# KiCad board Smoothie2Standard.kicad_pcb (continued)
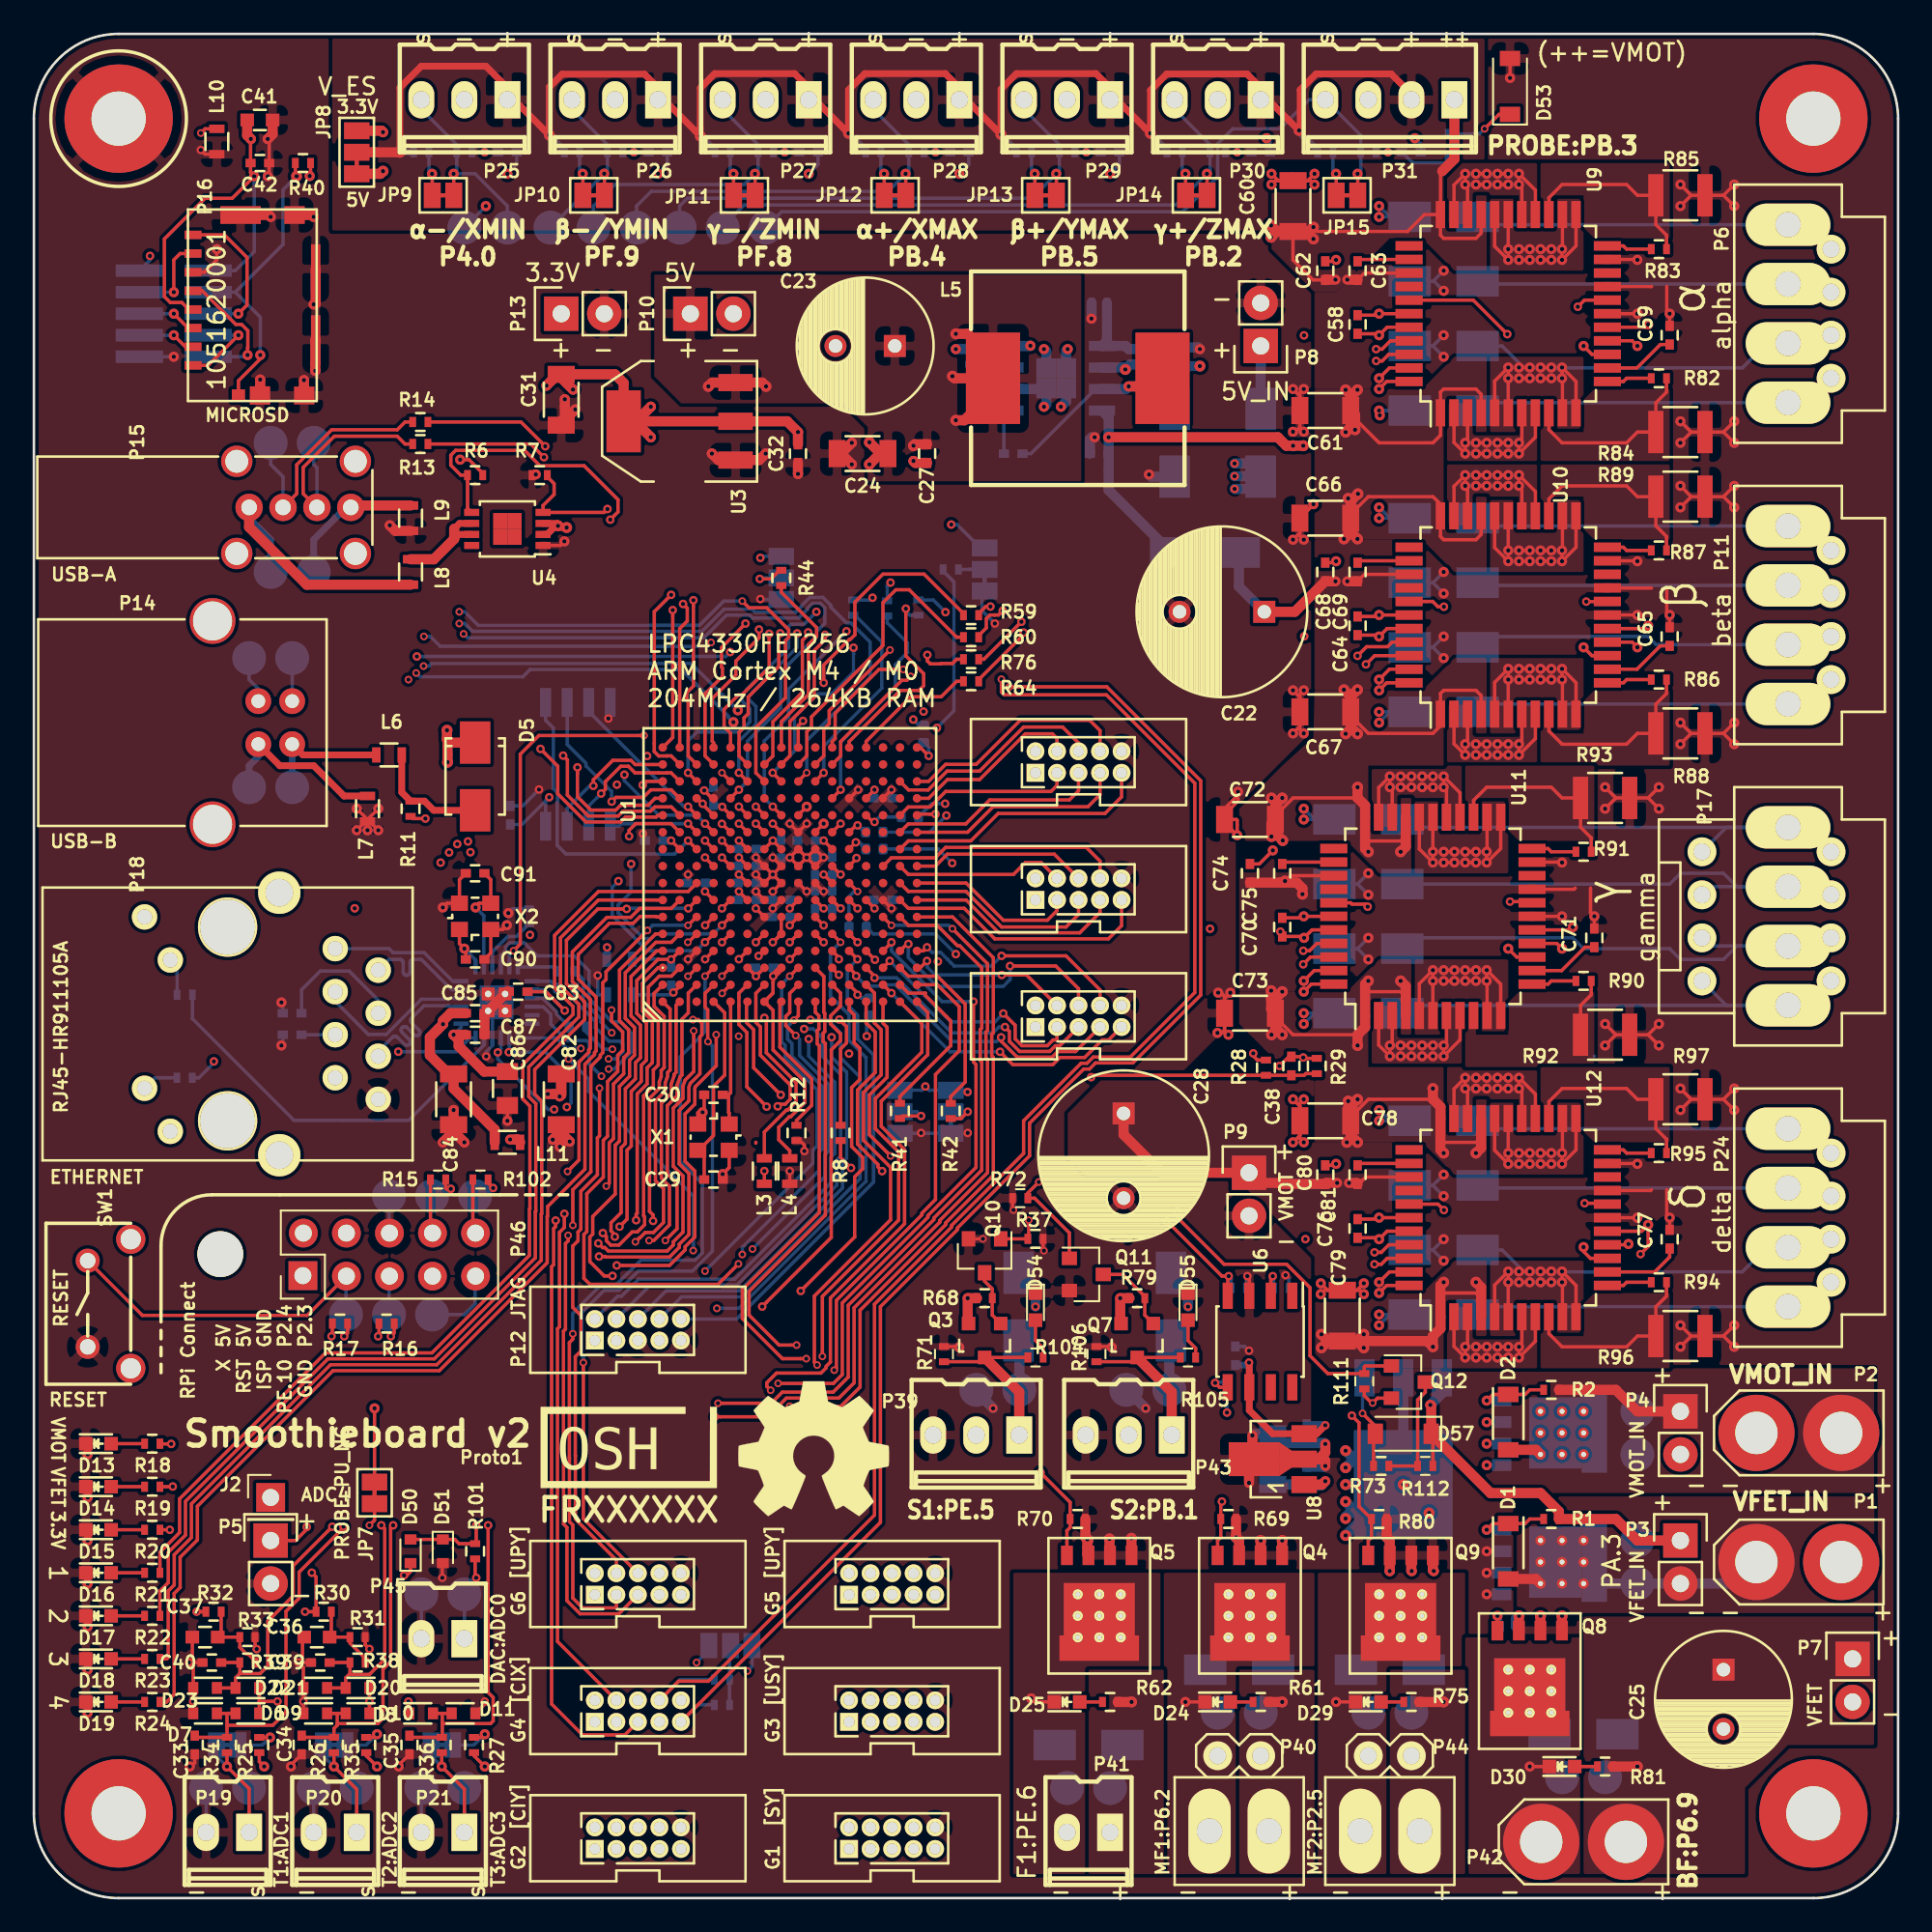
[diagram p0: board, top side]
## Routing (per net, layer and track width the routed paths; a pad name or vN(x,y) marks a point on that pad's centre or on a via; arc(x,y) is an arc through that point) (continued)
/5VU0: length 7
  Top w0.4: L6.1 21.7,65.25 R11.1 23.05,64.73 23.59,64.19 D5.2
/5VU0_CONN: length 7.8
  Top w0.4: P14.1 15.88,67.46 L6.2
  Bottom w0.4: P14.1 W9.1
/5VU1_CONN: length 16.4
  Top w0.6: P15.1 12.7,80.9 16.1,77.5 L8.2
  Bottom w0.4: W11.1 13.97,80.16 12.7,81.43 P15.1
/ETHERNET/1.2VE: length 5.9
  Top w0.6: C86.1 26.57,48.77 25.06,50.27 25.06,50.65 v3(24.77,50.95) 25.48,50.95
  Bottom w0.2: v3(24.77,50.95) 25.21,51.39 U13.1
/ETHERNET/3.3VE: length 12.1
  Top w0.6: L11.2 27.19,45.34 24.77,47.77 C84.1 24.47,48.64 23.37,49.73 23.37,50.79 v3(24.14,51.57) 24.14,51.77 24.59,52.22 25.48,52.22
  Bottom w0.2: v3(24.14,51.57) 24.14,51.67 24.57,52.1 U13.2
/GNDU0_CONN: length 10.5
  Top w0.4: P14.4 14.51,66.82 16.51,66.82 18.3,65.03 L7.2
  Bottom w0.4: W10.1 12.7,66.82 13.24,67.36 P14.4
/GNDU1_CONN: length 8.5
  Top w0.6: P15.4 18.82,82.18 L9.2
  Bottom w0.4: W12.1 16.51,80.16 18.41,82.06 P15.4
/MOTOR0/5VOUT: length 4.2
  Top w0.2: C59.1 95.97,91.67 94.59,90.29 U9.13
/MOTOR1/5VOUT: length 4.2
  Top w0.2: U10.13 94.59,72.51 95.97,73.89 C65.1
/MOTOR2/5VOUT: length 4.2
  Top w0.2: C71.1 91.53,56.11 90.15,54.73 U11.13
/MOTOR3/5VOUT: length 4.5
  Top w0.2: C77.1 96.52,37.83 95.64,36.95 U12.13
GND: length 441.9
  Top w0.2: v3(15.17,7.77) 15.17,7.85 15.8,8.48 ; v3(21.53,7.77) 21.53,7.85 22.16,8.48 ; v3(94.62,96.67) 94.59,96.69 U9.21 ; 97.79,100.48 v3(97.16,101.11) ; 97.79,100.48 v3(97.16,99.84) ; 97.79,100.48 99.69,100.48 ; 99.69,100.48 v3(100.33,101.11) ; 99.69,100.48 v3(100.33,99.84) ; 97.79,86.5 v3(97.16,87.14) ; 97.79,86.5 v3(97.16,85.87) ; 97.79,86.5 99.69,86.5 ; 99.69,86.5 v3(100.33,87.14) ; 99.69,86.5 v3(100.33,85.87) ; v3(79.38,89.05) 79.82,89.49 U9.44 ; v3(79.38,89.68) 79.99,90.29 U9.43 ; v3(76.84,96.67) 76.75,96.58 C62.2 ; v3(76.84,78.89) 76.75,78.8 C68.2 ; v3(79.38,71.9) 79.99,72.51 U10.43 ; v3(79.38,71.27) 79.82,71.71 U10.44 ; v3(94.62,78.89) 94.59,78.91 U10.21 ; v3(90.17,61.11) 90.15,61.13 U11.21 ; 97.79,82.7 v3(97.16,83.33) ; 97.79,82.7 v3(97.16,82.06) ; 97.79,82.7 99.69,82.7 ; 99.69,82.7 v3(100.33,83.33) ; 99.69,82.7 v3(100.33,82.06) ; 97.79,68.73 v3(97.16,69.36) ; 97.79,68.73 v3(97.16,68.09) ; 97.79,68.73 99.69,68.73 ; 99.69,68.73 v3(100.33,69.36) ; 99.69,68.73 v3(100.33,68.09) ; 93.34,64.92 v3(92.71,65.55) ; 93.34,64.92 v3(92.71,64.28) ; 93.34,64.92 R93.2 95.25,64.92 ; 95.25,64.92 v3(95.88,65.55) ; 95.25,64.92 v3(95.88,64.28) ; 93.34,50.95 v3(92.71,51.58) ; 93.34,50.95 v3(92.71,50.31) ; 93.34,50.95 R92.2 95.25,50.95 ; 95.25,50.95 v3(95.88,51.58) ; 95.25,50.95 v3(95.88,50.31) ; 97.79,47.14 v3(97.16,47.77) ; 97.79,47.14 v3(97.16,46.5) ; 97.79,47.14 99.69,47.14 ; 99.69,47.14 v3(100.33,47.77) ; 99.69,47.14 v3(100.33,46.5) ; v3(94.62,43.33) 94.59,43.35 U12.21 ; 97.79,33.17 v3(97.16,33.8) ; 97.79,33.17 v3(97.16,32.53) ; 97.79,33.17 99.69,33.17 ; 99.69,33.17 v3(100.33,33.8) ; 99.69,33.17 v3(100.33,32.53) ; v3(74.93,53.48) 75.38,53.93 U11.44 ; v3(74.93,54.12) 75.54,54.73 U11.43 ; v3(76.84,43.33) 76.75,43.24 C80.2 ; v3(79.38,35.71) 79.82,36.15 U12.44 ; v3(79.38,36.34) 79.99,36.95 U12.43 ; v3(73.03,101.11) 73.25,101.34 C60.2 ; v3(75.56,101.11) 75.34,101.34 C60.2 ; v3(74.93,89.05) 74.7,88.81 C61.2 ; v3(74.29,89.05) 74.7,88.64 C61.2 ; v3(73.03,101.75) 73.43,101.34 C60.2 ; v3(75.56,101.75) 75.16,101.34 C60.2 ; v3(74.93,80.16) 74.7,80.39 C66.2 ; v3(74.29,80.16) 74.7,80.56 C66.2 ; v3(74.93,71.27) 74.7,71.04 C67.2 ; v3(74.29,71.27) 74.7,70.86 C67.2 ; v3(74.93,68.73) 74.7,68.96 C67.2 ; v3(74.29,68.73) 74.7,69.13 C67.2 ; v3(70.49,50.95) 70.25,51.18 C73.2 ; v3(78.48,35.64) 78.25,35.87 C79.2 ; v3(78.48,36.27) 78.07,35.87 C79.2 ; v3(75.94,35.64) 76.17,35.87 C79.2 ; v3(75.94,36.27) 76.34,35.87 C79.2 ; v3(74.93,47.14) 74.7,46.91 C78.2 ; v3(74.29,47.14) 74.7,46.73 C78.2 ; v3(74.93,44.59) 74.7,44.83 C78.2 ; v3(74.29,44.59) 74.7,45 C78.2 ; v3(3.18,10.94) 3.06,11.05 D19.1 ; v3(3.18,13.48) 3.06,13.59 D18.1 ; v3(3.18,16.02) 3.06,16.13 D17.1 ; v3(3.18,18.56) 3.06,18.67 D16.1 ; v3(3.18,21.1) 3.06,21.21 D15.1 ; v3(3.18,23.64) 3.06,23.75 D14.1 ; v3(3.18,26.18) 3.06,26.29 D13.1 ; 25.48,60.47 25.11,60.09 X2.3 24.38,58.71 v3(24.13,58.45) ; v3(19.05,63.01) 19.57,63.53 L7.1 ; v3(20.32,63.01) 19.8,63.53 L7.1 ; 19.69,63.65 v3(19.05,64.28) ; 19.69,63.65 v3(20.32,64.28) ; 19.69,63.65 L7.1 ; v3(10.8,97.3) 10.8,96.67 10.07,95.94 P16.6 ; v3(13.8,101.6) 13.88,101.69 C42.2 13.88,103.72 v3(13.8,103.8) ; v2(50.6,65.4) 50.6,65.4 50.1,64.9 ; v2(50.6,58.4) 50.6,58.4 50.1,58.9 ; v2(42.6,59.4) 42.6,59.4 43.1,58.9 ; v2(42.6,60.4) 42.6,60.4 43.1,59.9 v2(43.6,60.4) ; v2(45.6,61.4) 45.6,61.4 46.1,60.9 v2(46.6,61.4) 46.6,61.4 46.1,61.9 v2(45.6,61.4) ; v2(45.6,61.4) 45.1,61.9 45.1,61.9 v2(44.6,61.4) 45.1,60.9 v2(45.6,61.4) ; v2(45.6,63.4) 45.6,63.4 45.1,62.9 v2(44.6,63.4) ; v2(9.85,103.15) 10.1,102.9 L10.1 ; v2(71.6,36.7) 71.72,36.59 U6.3 ; v2(24.1,18.9) 24.1,19.73 D51.2 ; v2(15.6,13.9) 15.85,14.15 15.85,15.4 ; v2(15.6,13.9) 15.9,13.6 D21.2 v2(15.9,11.6) D9.2 ; v2(15.6,13.9) 16.55,13.9 ; v2(19.8,14.7) 19.55,14.95 R31.1 ; v2(26.6,11.6) 26.6,11.45 D11.2 ; v2(38.6,55.4) 38.61,55.4 U1.C4 ; 95.45,95.1 95.44,95.09 U9.19 ; U10.19 92.85,77.3 95.45,77.3 ; 90.95,59.6 90.88,59.53 U11.19 ; 95.45,41.8 95.4,41.75 U12.19 ; v4(59.6,38.2) 59.55,38.25 R37.1 ; v3(54.6,32.5) 54.55,32.55 R71.1 ; v3(63.6,32.5) 63.55,32.55 R106.1 ; v4(57.8,40.6) 57.75,40.65 R72.1 ; v2(45.46,44.08) 45.46,44.43 45.2,44.7 R12.1 ; 70.25,53.22 70.28,53.19 70.36,53.19 v3(70.6,53.42) ; 70.25,53.22 C73.2 ; 70.25,53.22 70.05,53.42 v3(69.88,53.42) ; D7.2 v2(9.4,11.6) D23.2 9.4,13.65 v2(9.15,13.9) ; 29.4,83.97 29.58,83.97 v3(29.62,84.01) ; v2(43.6,60.4) 44.1,59.9 v2(43.6,59.4) ; v2(43.6,60.4) 44.1,60.9 v2(43.6,61.4) ; v2(43.6,60.4) v2(42.6,61.4) ; C60.2 74.29,101.75 ; C37.2 9.35,14.1 v2(9.15,13.9) ; L7.1 v3(19.69,63.01) ; v2(48.64,65.4) 48.14,64.9 48.1,64.9 ; U9.17 v3(94.62,93.49) ; 9.49,8.48 9.49,7.98 9.27,7.77 v3(9.2,7.77) ; C61.2 74.7,86.78 74.45,86.52 v3(74.29,86.52) ; C61.2 74.7,86.76 v3(74.93,86.52) ; v2(73.5,49.1) 74.05,49.65 C38.2 74.85,49.65 v2(74.9,49.6) 74.95,49.55 R29.1 ; 43.1,57.9 v2(42.6,58.4) ; v3(73.11,61.82) 72.31,61.02 C74.2 ; U8.2 U8.2 ; v3(69.84,51.05) 70.09,51.05 70.25,51.22 C73.2 ; 71,62.9 71,63.6 70.96,63.65 C72.2 70.25,63.95 ; Q12.2 79.28,29.5 v4(78.99,29.21) 78.94,29.21 78.5,29.65 R111.1 ; v3(71,62.72) 70.64,63.08 70.28,63.08 ; D53.2 v3(87.1,107.4) ; 44.1,58.9 v2(43.6,58.4) ; C66.2 74.7,81.45 v3(75.5,82.25) 75.5,82.23 C66.2 ; 96.35,77.3 96.35,75.88 v3(96.52,75.71) C65.2 ; L4.1 v2(44.6,42.9) ; 46.1,59.9 v2(46.6,59.4) ; C76.2 79.29,40.07 v3(79.38,40.15) U12.39 ; v3(27.91,57.41) 27.91,57.4 27.66,57.16 X2.3 26.96,55.77 C90.2 26.67,55.39 ; 96.35,41.8 96.35,40.32 v3(96.52,40.15) C77.2 ; U12.17 v3(94.62,40.15) ; 96.35,95.1 96.35,93.66 v3(96.52,93.49) C59.2 ; X1.3 41.02,43.1 v3(40.64,42.72) 40.65,42.71 C29.1 ; 91.85,59.6 91.85,58.16 v3(92.07,57.93) C71.2 ; U10.17 v3(94.62,75.71) ; v2(13.15,14.69) 13.05,14.79 R33.1 ; 40.1,64.9 40.01,64.9 v2(39.55,65.36) ; U4.1 31.06,79.81 v3(31.3,80.06) ; v2(9.15,13.9) 10.05,13.9 ; U10.39 v3(79.38,75.71) 79.29,75.62 C64.2 ; 71.05,65.09 70.25,64.29 70.25,63.95 ; 70.25,63.95 71.05,64.74 v3(71.05,65.28) ; U11.17 v3(90.17,57.93) ; 45.1,59.9 v2(45.6,59.4) ; C30.1 39.55,46.46 v3(39.46,46.37) 39.22,46.37 39.18,46.33 X1.3 39.13,45.68 ; C70.2 74.84,57.84 v3(74.93,57.93) U11.39 ; C58.2 79.29,93.41 v3(79.38,93.49) U9.39 ; C86.2 v3(27.94,45.87) ; Q10.2 v4(56,38.9)
  Top w0.6: 24.77,45.23 v3(24.13,44.59) ; 24.77,45.23 v3(25.4,44.59) ; 24.77,45.23 C84.2 v3(24.77,46.5) ; v3(13.97,99.21) 13.86,99.31 P16.G4 ; v3(16.51,99.21) 16.4,99.31 P16.G3 ; 47.63,85.24 v3(48.26,85.87) ; 47.63,85.24 v3(48.26,84.6) ; 47.63,85.24 C24.2 ; v3(43.18,85.24) 42.8,84.85 U3.1 40.39,84.85 v3(40.01,85.24) ; v1(87.63,16.66) 87.62,16.65 Q8.3 ; v1(88.9,16.66) 88.9,16.65 Q8.2 ; v1(90.17,16.66) 90.16,16.65 90.16,15.78 ; 62.04,21.29 62.23,21.11 ; v1(70.94,21.29) 71.12,21.11 ; v1(70.94,21.29) 71.12,21.11 ; v1(70.94,21.29) R69.1 ; 71.12,21.11 Q4.3 ; 79.82,21.29 80,21.11 ; 79.82,21.29 80,21.11 ; 79.82,21.29 79.82,22.37 ; 80,21.11 Q9.3 80,19.31 v3(80,19.3) ; v3(13.8,103.8) 14.09,104.09 C41.2 ; v3(21,81) 21.33,80.68 L9.1 ; v3(51.9,84.8) 52.02,84.69 52.71,84.69 ; v1(73.66,21.1) 73.66,21.09 Q4.1 ; v1(72.39,21.1) 72.38,21.09 Q4.2 ; v2(76.2,26.8) 76.2,26.3 75.8,25.9 U8.2 76.1,25.9 76.2,25.8 v2(76.2,25.5) ; v2(71.9,27.3) 71.9,26 U8.2 71.7,25.6 v2(71.7,24.5) ; v3(31.33,88.44) 31.33,87.35 31.12,87.14 ; v3(15.94,89.57) 15.94,88.68 P16.G2 ; P16.G1 13.35,88.68 v3(13.35,89.6) ; v3(16.51,94.04) 16.58,94.04 16.62,94.08 P16.G6 ; 31.12,87.14 31.25,87.14 v3(31.95,87.84) ; 31.12,87.14 C31.2 ; Q5.1 64.76,20.23 v1(64.76,21.23) ; 31.12,45.23 31.12,45.14 v3(31.61,44.64) ; 31.12,45.23 C82.2 31.12,44.41 v3(31.04,44.33) ; 31.12,45.23 31.09,45.23 v3(30.62,44.75) ; 62.04,22.37 62.04,21.29 v1(62.16,21.17) 62.16,20.29 Q5.3 ; Q9.2 81.28,19.33 v3(81.3,19.3) ; Q5.2 63.47,20.25 v1(63.47,21.19) ; v3(82.6,19.3) 82.54,19.36 82.54,20.23 ; 28.02,53.48 27.94,53.48 U13.25 26.59,52.13 C87.2 ; P16.G5 16.61,91.93 v3(16.61,90.12) ; 45.09,84.69 v3(45.09,84.03)
  In5.Cu w0.2: P12.3 P12.5
  Bottom w0.2: v3(27.94,101.75) 28.49,102.3 C43.2 ; v3(36.83,101.75) 37.38,102.3 C44.2 ; v3(45.72,101.75) 46.27,102.3 C45.2 ; v3(54.61,101.75) 55.16,102.3 C46.2 ; v3(63.5,101.75) 64.05,102.3 C47.2 ; v3(79.38,99.84) 80.01,99.21 D37.2 v3(79.38,99.21) ; 82.55,95.4 v3(83.19,96.03) ; 82.55,95.4 82.63,95.4 v3(83.19,94.84) ; 82.55,95.4 D36.2 ; 82.55,91.59 v3(83.19,92.22) ; 82.55,91.59 v3(83.19,90.95) ; 82.55,91.59 D35.2 ; v3(79.38,82.06) 80.01,81.43 D41.2 v3(79.38,81.43) ; v3(79.38,69.36) 80.01,70 D38.2 v3(79.38,70) ; 82.55,73.81 v3(83.19,74.44) ; 82.55,73.81 v3(83.19,73.17) ; 82.55,73.81 D39.2 ; 82.55,77.62 v3(83.19,78.25) ; 82.55,77.62 v3(83.19,76.98) ; 82.55,77.62 D40.2 ; v3(74.93,64.28) 75.56,63.65 D45.2 v3(74.93,63.65) ; 78.1,59.84 v3(78.74,60.47) ; 78.1,59.84 v3(78.74,59.2) ; 78.1,59.84 D44.2 ; 78.1,56.03 v3(78.74,56.66) ; 78.1,56.03 v3(78.74,55.39) ; 78.1,56.03 D43.2 ; v3(74.93,51.58) 75.56,52.22 D42.2 v3(74.93,52.22) ; v3(79.38,46.5) 80.01,45.87 D49.2 v3(79.38,45.87) ; v3(79.38,33.8) 80.01,34.44 D46.2 v3(79.38,34.44) ; 82.55,38.25 v3(83.19,38.88) ; 82.55,38.25 v3(83.19,37.61) ; 82.55,38.25 D47.2 ; 82.55,42.06 v3(83.19,42.69) ; 82.55,42.06 v3(83.19,41.42) ; 82.55,42.06 D48.2 ; v3(14.61,52.85) 14.69,52.77 C88.2 ; v3(14.61,50.31) 14.69,50.4 C89.2 ; U13.25 27.06,52.6 U13.22 27.06,50.3 26.69,49.93 v2(26.69,49.67) ; v3(85.72,17.93) 85.73,17.93 Q1.1 ; v3(85.72,19.2) 85.73,19.2 Q1.2 ; v3(85.72,20.47) 85.73,20.47 Q1.3 ; v3(85.72,25.55) 85.73,25.55 Q2.1 ; v3(85.72,26.82) 85.73,26.82 Q2.2 ; v3(85.72,28.09) 85.73,28.09 Q2.3 ; v2(50.6,65.4) 50.6,64.95 C20.2 ; v2(50.6,58.4) 50.6,58.85 C15.2 ; 42.6,58.95 C11.2 42.6,58.85 v2(42.6,58.4) ; 42.6,59.95 C13.2 42.6,59.85 v2(42.6,59.4) ; 42.6,60.95 C12.2 42.6,60.85 v2(42.6,60.4) ; C7.2 42.65,61.45 v2(42.6,61.4) ; v2(43.6,58.4) 43.6,57.95 C5.2 ; v2(43.6,59.4) 43.6,58.95 C3.2 ; C17.2 45.65,59.45 v2(45.6,59.4) ; v2(46.6,59.4) 47.05,59.4 C1.2 ; v2(45.6,61.4) 46.05,61.4 C18.2 ; v2(46.6,61.4) 47.05,61.4 C19.2 ; v2(43.6,61.4) 44.05,61.4 C8.2 ; v2(45.6,63.4) 45.05,62.85 C6.2 ; P46.6 20.95,39.27 W25.1 ; v2(71.6,36.7) 71.55,36.65 R67.2 ; v2(71.7,32.3) 71.45,32.55 C51.2 ; v2(38.6,60.4) 38.6,59.95 C4.2 ; P46.9 26.04,36.68 26.04,35.07 25.4,34.44 W16.1 ; U5.4 33.9,70.44 v2(33.9,69.6) ; P19.2 W22.1 ; v3(81.49,103.84) 81.83,103.5 C49.2 ; v2(56.7,75.21) 55.94,75.97 55.94,76.97 JP5.3 ; R63.2 74.05,36.56 v2(73.86,36.76) ; C50.2 28.84,64.45 v2(29.8,65.41) ; JP6.3 52.33,45.13 v2(52.35,45.15) 52.37,45.13 JP17.3 55.08,45.13 v2(55.1,45.15) ; v3(79.42,87.49) 79.7,87.78 D34.2 v3(79.38,87.78) ; v2(39.55,65.36) 40.01,65.36 40.1,65.45 ; R98.1 28.25,58.38 v3(28,58.12) ; v2(33.27,54.44) 33.27,53.38 33.35,53.3 L2.1 ; P21.2 W24.1 ; C2.2 35.99,62.4 35.94,62.46 v2(35.94,62.81) ; P20.2 W23.1 ; P23.10 v3(8.26,90.95) ; W33.1 v3(26.67,99.84) ; JP16.3 42.89,76.63 v2(42.86,76.65) ; v3(72.73,103.84) 72.94,103.64 C48.2 ; P45.2 W55.1
  Bottom w0.6: v1(87.63,16.66) 87.44,16.47 R78.1 ; v3(58.8,91.6) 58.79,91.59 U2.4 56.38,91.59 56.2,91.4 R3.2 v3(54.4,91.4) ; v3(68.8,91.4) 68.7,91.5 C21.2 ; v3(62.4,93.2) 62.41,93.22 R5.2 ; v3(59.6,88) 59.74,88.14 U2.9 59.69,89.05 U2.2 ; v3(61,91.4) 60.91,91.31 U2.9 ; v3(59.6,91.4) 59.74,91.26 U2.9 ; v3(60.6,88) 60.91,88.31 U2.9 ; v3(65.8,84) 65.93,83.87 D4.2 ; v2(76.2,25.5) 76.15,25.45 C56.2 ; v2(76.2,26.8) 76.15,26.85 C57.2 73.65,26.85 C55.2 72,27.4 v2(71.9,27.3) ; v2(59.1,34.9) 59.1,35.9 D28.2 ; v2(68.1,34.9) 68.1,35.9 D33.2 ; v2(56.6,28.9) 55.61,29.89 W35.1 ; v2(65.6,28.9) 64.51,29.99 W51.1 ; v3(62.59,86.2) 62.43,86.2 62.32,86.09 C26.2
GND_VBB_IN: length 2
  Top w0.6: Q2.5 88.63,26.45 D2.2
GND_VFET_IN: length 17.2
  Top w0.6: Q1.5 88.63,18.83 D1.2
  Bottom w0.6: P1.2 100.37,18.56 P3.2 W2.1 91.04,18.56 Q1.5 Q1.5
GNDA: length 3.6
  Top w0.2: v2(37.73,53.44) 38.1,53.81 38.1,53.9
  Bottom w0.2: C10.2 37.68,53.85 37.73,53.79 v2(37.73,53.44) 37.59,53.3 L2.2
GNDS: length 1
  Top w0.2: v4(9.85,104.15) 10.1,104.4 L10.2
GNDU: length 14.8
  Top w0.2: 43.61,53.39 U1.G1 43.62,52.38 43.62,50.05 45.5,48.17 45.5,46.95 44.65,46.1 44.57,46.1 43.95,45.48 43.95,44.75 44.6,44.1 L4.2 ; v2(43.62,54.4) 43.62,54.05 43.61,54.04 43.61,53.41 43.1,52.9
  Top w0.4: 44.1,54.9 44.1,54.88 v2(43.62,54.4)
  Bottom w0.4: v2(43.62,54.4) 43.62,54.87 C16.2
(no net): length 0.2
  Top w0.2: 64.55,38.8 64.65,38.9 ; 42.6,44.6 42.6,44.55
/BED1_DRAIN: length 1.2
  Top w0.2: D30.1 v3(88.27,7.77)
/BED1_DRV: length 1.6
  Top w0.2: v2(69.7,30.4) 69.96,30.14 U6.5
  Bottom w0.2: v2(69.7,30.4) 69.75,30.45 R74.1
/BED1_GATE: length 24.5
  Top w0.2: v3(86.36,16.66) 86.35,16.65 Q8.4
  In4.Cu w0.2: v3(86.36,16.66) 85.84,16.66 83.75,18.75 78.4,18.75 70.4,26.75 v2(70.4,28.65)
  Bottom w0.2: v3(86.36,16.66) 86.54,16.47 R78.2 ; R74.2 v2(70.4,28.65)
/BED1_LEDR: length 1.3
  Top w0.2: D30.2 R81.1
/BED1_PRE: length 51.6
  Top w0.2: v2(57.17,75.96) 56.92,75.71 56.68,75.71 56.68,75.71 56.41,75.71 56.2,75.5 56.2,74.95 55.75,74.5 R60.2 ; U6.4 70.44,36.65 v2(70.5,36.7) 70.1,36.7 v2(66.84,39.96)
  In3.Cu w0.2: v2(66.84,39.96) 66.84,40.9 68.15,42.21 68.15,66.8 58.99,75.96 v2(57.17,75.96)
  Bottom w0.2: v2(70.5,36.7) 70.65,36.55 R67.1
/BED2_NC: length 1.9
  Top w0.2: v2(73.1,36.7) 72.99,36.59 U6.2
  Bottom w0.2: v2(73.1,36.7) 73.15,36.65 R63.1
/BOOT0: length 10.1
  Top w0.2: 51.1,53.9 51.6,53.4 52.6,53.4 52.6,53.26 54.1,51.76 54.1,50.3 51.1,47.3 R41.1
/BOOT1: length 10.9
  Top w0.2: 51.1,54.9 51.6,54.4 53.31,54.4 54.95,52.76 54.95,48.15 54.1,47.3 R42.1
/BOOT2: length 20.1
  Top w0.2: v2(45.38,69.46) 45.1,69.18 45.1,67.9
  In3.Cu w0.2: v2(45.38,69.46) 46.14,68.7 52.93,68.7 v2(53.28,69.05)
  Bottom w0.2: R43.1 53.65,78.3 54.29,77.66 54.29,70.05 v2(53.28,69.05)
/BOOT3: length 11.3
  Top w0.2: R44.1 44.1,77.05 46.18,74.97 46.18,74.45 45.7,73.96 45.7,71.01 44.11,69.42 U1.H16
/DAC_CONN: length 5.9
  Top w0.2: v2(26.1,18.9) 26.04,18.97 R101.2
  Bottom w0.2: 26.04,18.56 W54.1 ; W54.1 25.4,18.2 v2(26.1,18.9) ; W54.1 P45.1
/ETH_CRS: length 35
  Top w0.2: v2(48.6,58.4) 48.1,58.9 48.1,58.9
  In3.Cu w0.2: v2(53.34,55.27) 53.34,55.22 52.94,54.81 52.83,54.81 49.64,51.62 49.64,50.01 48.42,48.8 44.93,48.8 44.7,49.03 43.4,49.03 42.62,48.25 42.58,48.25 41.6,47.27 36.95,47.27 v4(34.13,50.09)
  In4.Cu w0.2: v2(48.6,58.4) 49.11,57.89 52.67,57.89 53.34,57.22 v2(53.34,55.27)
  Bottom w0.2: R109.1 32.61,51.09 33.61,50.09 v4(34.13,50.09)
/ETH_MDC: length 1.8
  Top w0.2: v2(52.8,67.4) 52.31,67.89 U1.T16
  Bottom w0.2: v2(52.8,67.4) 52.8,67.88 R113.1
/ETH_MDIO: length 3.2
  Top w0.2: v4(48.6,59.4) U1.M8
  Bottom w0.2: R103.1 48.1,59.1 48.5,59.5 v4(48.6,59.4)
/ETH_REF_CLK: length 1.3
  Top w0.2: v2(48.6,63.3) 48.51,63.3 U1.M11
  Bottom w0.2: R114.1 49,62.9 v2(48.6,63.3)
/ETH_RXD0: length 42.5
  Top w0.2: 52.1,63.9 52.16,63.96 v2(53.2,63.96)
  In3.Cu w0.2: v2(53.2,63.96) 53.2,63.61 52.99,63.4 52.99,61.51 52.55,61.07 52.55,57.13 53.86,55.82 53.86,55.08 53.61,54.83 53.56,54.83 49.99,51.26 49.99,49.87 48.57,48.45 44.78,48.45 44.55,48.68 43.54,48.68 42.77,47.9 42.73,47.9 41.74,46.92 36.64,46.92 34.04,49.52 v4(33.91,49.52)
  Bottom w0.2: R108.1 31.91,52.95 33.12,51.74 33.12,51.38 33.94,50.56 34.57,50.56 34.74,50.39 34.74,49.93 34.33,49.52 v4(33.91,49.52)
/ETH_RXD1: length 26.3
  Top w0.2: v2(47.5,54.48) 47.1,54.88 47.1,54.9
  In3.Cu w0.2: v2(48.1,49.83) 47.77,49.5 45.22,49.5 44.99,49.73 43.11,49.73 42.33,48.95 42.29,48.95 41.31,47.97 37.51,47.97 34.41,51.06 v4(34.1,51.06)
  In4.Cu w0.2: v2(48.1,49.83) 48.1,53.88 v2(47.5,54.48)
  Bottom w0.2: v4(34.1,51.06) 33.46,51.7 33.46,51.88 32.42,52.92 32.42,54.2 R107.1
/ETH_TXD0: length 2.4
  Top w0.2: U1.N12 49.5,63.5 v2(49.6,63.5)
  Bottom w0.2: v2(49.6,63.5) 49.9,63.8 R116.1
/ETH_TXD1: length 1.3
  Top w0.2: v2(48.5,62.3) 48.11,61.91 U1.M10 ; 48.1,61.9 48.1,61.9
  Bottom w0.2: R117.1 48.69,62.3 v2(48.5,62.3)
/ETH_TXEN: length 1.6
  Top w0.2: U1.M2 48.6,53.4 v2(48.6,53.3)
  Bottom w0.2: R115.1 48.78,53.12 v2(48.6,53.3)
/ETHERNET/LED0: length 23.4
  Bottom w0.2: 18.2,45.9 18.2,45.9 ; 18.2,45.9 18.2,45.9 15.34,45.9 9.35,51.89 R99.1 ; 18.2,45.9 18.2,45.9 22.12,45.9 26.56,50.33 U13.23
/ETHERNET/LED0_CONN: length 2.2
  Bottom w0.2: P18.10 8.45,54.96 R99.2
/ETHERNET/LED1_CONN: length 2.2
  Bottom w0.2: P18.11 7.15,48.41 R100.2
/ETHERNET/MDC: length 39.9
  Top w0.2: v4(36,68.6) 29.8,68.6 28.7,67.5 28.7,56.3 v4(28.3,55.9)
  In3.Cu w0.2: v4(36,68.6) 39.7,72.3 49.13,72.3 v2(51.89,69.54)
  Bottom w0.2: v2(51.89,69.54) 52.23,69.2 R113.2 ; U13.11 28.05,55.65 v4(28.3,55.9)
/ETHERNET/MDIO: length 48
  In3.Cu w0.2: v4(33.91,48.92) 37.02,45.82 41.14,45.82 42.87,47.55 42.91,47.55 43.69,48.33 44.41,48.33 44.64,48.1 48.71,48.1 50.34,49.72 50.34,50.99 54.4,55.05 v2(54.4,55.7)
  Bottom w0.2: R103.2 49.53,56.89 53.21,56.89 v2(54.4,55.7) ; U13.10 27.55,55.63 27.83,55.92 27.83,56.12 28.08,56.37 28.93,56.37 29.7,55.6 31.87,55.6 32.76,54.71 32.76,53.06 33.8,52.02 33.8,52 34.1,51.7 34.6,51.7 35.3,51 35.3,49.98 34.23,48.92 v4(33.91,48.92)
/ETHERNET/REF_CLK: length 48.7
  In3.Cu w0.2: v4(33.49,48.5) 36.52,45.47 41.28,45.47 43.02,47.2 43.08,47.2 43.84,47.96 44.29,47.96 44.49,47.75 48.86,47.75 50.69,49.58 50.69,50.22 54.99,54.51 54.99,57.08 52.9,59.17 52.9,60.93 53.34,61.36 53.34,61.43 53.84,61.93 v2(53.84,63.88)
  Bottom w0.2: v4(33.49,48.5) 32.77,49.22 32.77,50.44 32.61,50.6 31.47,50.6 30.5,51.57 30.5,52.15 30.05,52.6 U13.16 ; R114.2 52.86,62.9 v2(53.84,63.88)
/ETHERNET/REXT: length 3.7
  Bottom w0.2: R98.2 28.47,56.74 27.96,56.74 27.05,55.83 U13.9
/ETHERNET/RX+: length 9.7
  Bottom w0.2: 17.78,53.48 17.78,52.92 19.74,50.96 20.78,50.96 22.86,53.04 24.48,53.04 24.54,53.1 U13.4
/ETHERNET/RX-: length 9.6
  Bottom w0.2: U13.3 24.54,52.6 24.48,52.66 23.02,52.66 22.29,51.93 22.26,51.9 22.25,51.86 22.24,51.81 22.24,51.77 22.25,51.72 22.26,51.68 22.29,51.65 22.72,51.22 22.74,51.19 22.76,51.15 22.77,51.11 22.77,51.06 22.76,51.02 22.74,50.98 22.72,50.94 22.68,50.91 22.64,50.89 22.6,50.88 22.55,50.88 22.51,50.89 22.47,50.91 22.43,50.94 22.01,51.37 21.97,51.39 21.93,51.41 21.89,51.42 21.85,51.42 21.8,51.41 21.76,51.39 21.73,51.37 21.7,51.33 21.68,51.29 21.67,51.25 21.67,51.2 21.68,51.16 21.7,51.12 21.73,51.08 22.15,50.66 22.18,50.62 22.2,50.58 22.21,50.54 22.21,50.49 22.2,50.45 22.18,50.41 22.15,50.38 22.12,50.35 22.08,50.33 22.03,50.32 21.99,50.32 21.94,50.33 21.9,50.35 21.87,50.38 21.44,50.8 21.41,50.83 21.37,50.85 21.32,50.86 21.28,50.86 21.24,50.85 21.2,50.83 21.16,50.8 20.32,49.96 P18.6
/ETHERNET/RXC: length 2
  Bottom w0.2: C89.1 P18.5
/ETHERNET/TX+: length 8.2
  Bottom w0.2: P18.1 20.95,56.03 21.19,55.79 23.03,55.79 24.72,54.1 U13.6
/ETHERNET/TX-: length 7.4
  Bottom w0.2: P18.2 20.95,55.39 21.59,55.39 21.63,55.38 21.68,55.37 21.71,55.35 21.75,55.31 21.77,55.28 21.78,55.23 21.79,55.19 21.79,54.65 21.8,54.61 21.81,54.56 21.83,54.53 21.87,54.49 21.9,54.47 21.95,54.46 21.99,54.45 22.03,54.46 22.08,54.47 22.11,54.49 22.15,54.53 22.17,54.56 22.18,54.61 22.19,54.65 22.19,55.19 22.2,55.23 22.21,55.28 22.23,55.31 22.27,55.35 22.3,55.37 22.35,55.38 22.39,55.39 22.86,55.39 24.65,53.6 U13.5
/ETHERNET/TXC: length 7.8
  Bottom w0.2: C88.1 15.79,53.59 16.9,54.7 18.6,54.7 20.32,52.98 P18.4
/ETHERNET/TXD0: length 50.4
  In3.Cu w0.2: v2(53.77,64.58) 54.12,64.58 54.34,64.36 54.34,61.94 53.69,61.28 53.69,61.22 53.36,60.89 53.36,59.21 55.33,57.24 55.33,54.36 51.04,50.07 51.04,49.43 49,47.4 45.96,47.4 43.99,45.43 43.92,45.43 42.46,43.97 34.16,43.97 v2(31.45,46.68)
  Bottom w0.2: v2(31.45,46.68) 31.7,46.93 31.7,48.4 30.19,49.91 v2(28.02,49.91) 28.06,49.95 U13.20 ; v2(53.77,64.58) 52.98,64.58 R116.2
/ETHERNET/TXD1: length 48.7
  In3.Cu w0.2: v2(54.19,61.07) 55.67,59.59 55.67,54.2 51.39,49.93 51.39,49.29 49.15,47.05 46.11,47.05 44.14,45.08 44.06,45.08 42.61,43.62 33.62,43.62 v2(30.7,46.53)
  Bottom w0.2: U13.21 27.56,50.11 27.37,49.93 v2(27.37,49.9) 27.37,49.51 30.35,46.53 v2(30.7,46.53) ; v2(54.19,61.07) 53.36,61.9 R117.2
/ETHERNET/TXEN: length 25.6
  In3.Cu w0.2: v2(49.14,50.86) 49.14,50.01 48.28,49.15 45.07,49.15 44.84,49.38 43.25,49.38 42.48,48.6 42.44,48.6 41.45,47.62 37.31,47.62 34.36,50.56 32.7,50.56 v4(32.28,50.13)
  Bottom w0.2: v2(49.14,50.86) 49.14,51.94 R115.2 ; U13.19 30.83,50.75 31.45,50.13 v4(32.28,50.13)
/ETHERNET/XI: length 6.7
  Top w0.2: C91.1 26.96,60.09 X2.2 26.26,58.71 26.06,58.5 v3(26.06,58.45)
  Bottom w0.2: v3(26.06,58.45) 26.55,57.96 U13.8
/ETHERNET/XO: length 3.3
  Top w0.2: X2.1 25.11,56.32 v3(25.4,56.03) 25.48,55.94 25.48,55.39
  Bottom w0.2: v3(25.4,56.03) 26.05,55.37 U13.7
/FAN_D: length 1.5
  Top w0.2: D25.1 59.05,11.58 v3(58.85,11.78)
/FAN_G: length 72.9
  Top w0.2: Q5.4 60.96,21.68 61.15,21.87 R70.2 61.15,23.36 v2(59.4,25.1)
  In3.Cu w0.2: v2(59.4,25.1) 59.4,31.69 68.85,41.15 68.85,67.09 59.13,76.81 56.3,76.81 55.37,75.88 v2(53.79,75.88)
  Bottom w0.2: R66.2 53.07,76.6 v2(53.79,75.88)
/FAN_LED_R: length 1.3
  Top w0.2: D25.2 R62.2
/HOTEND1_D: length 1.2
  Top w0.2: D24.1 v3(67.94,11.58)
/HOTEND1_G: length 73.6
  Top w0.2: Q4.4 69.84,21.09 70.03,21.29 R69.2 70.03,23.34 v2(70.1,23.4)
  In3.Cu w0.2: v2(70.1,23.4) 69.2,24.3 69.2,55.78 71.45,58.03 71.45,59.73 69.4,61.78 69.4,67.04 59.28,77.16 56.16,77.16 55.98,76.99 51.18,76.99 v2(50.55,77.62)
  Bottom w0.2: v2(50.55,77.62) 50.35,77.43 R65.2
/HOTEND1_LED_R: length 1.3
  Top w0.2: D24.2 R61.2
/HOTEND2_D: length 1.2
  Top w0.2: D29.1 v3(76.84,11.58)
/HOTEND2_G: length 78.4
  Top w0.2: Q9.4 78.74,21.09 78.93,21.29 R80.2 78.19,23.1 78.19,28.05 v2(77.77,28.47)
  In3.Cu w0.2: v2(77.77,28.47) 77.52,28.72 77.52,39.57 71.1,45.99 71.1,52.76 71.33,52.99 71.33,54.39 71.8,54.86 71.8,59.87 69.75,61.92 69.75,67.18 59.42,77.51 56.01,77.51 55.9,77.39 51.51,77.39 50.79,78.12 50.31,78.12 49.48,77.3 v2(49.48,76.73)
  Bottom w0.2: v2(49.48,76.73) 49.35,76.6 R77.2
/HOTEND2_LED_R: length 1.3
  Top w0.2: D29.2 R75.2
/I2C0_VIO: length 3.5
  Bottom w0.2: JP1.2 41.05,14.85 R9.1 R10.1
/LED1_R: length 2
  Top w0.2: D16.2 R21.2
/LED2_R: length 2
  Top w0.2: D17.2 R22.2
/LED3_R: length 2
  Top w0.2: D18.2 R23.2
/LED4_R: length 2
  Top w0.2: D19.2 R24.2
/M0_OA1: length 38.4
  Top w0.2: P6.1 104.6,88.24 P6.1 ; v3(85.09,85.24) v3(85.72,85.24) ; v3(86.36,85.24) v3(87,85.24) ; 88.59,87.64 88.59,86.2 v3(87.63,85.24) v3(87.63,85.87) 87.79,86.03 U9.7 ; v3(87,85.87) v3(86.36,85.87) ; v3(85.72,85.87) v3(85.09,85.87) ; 84.59,87.64 84.59,86.01 v3(84.46,85.87) v3(84.46,85.24) 83.79,85.9 U9.2
  Bottom w0.2: v3(84.46,85.24) v3(85.09,85.24) ; v3(85.72,85.24) v3(86.36,85.24) ; v3(87,85.24) v3(87.63,85.24) ; v3(87.63,85.87) v3(87,85.87) ; v3(86.36,85.87) v3(85.72,85.87) ; v3(85.09,85.87) v3(84.46,85.87) ; D34.1 85.65,88.24 P6.1
/M0_OA2: length 39.9
  Top w0.2: P6.2 105.56,91.74 P6.2 ; v3(87.63,89.68) v3(88.27,89.68) ; v3(88.9,89.68) v3(89.53,89.68) ; U9.10 90.19,89.66 v3(90.17,89.68) v3(90.17,90.31) 91,89.49 U9.11 ; v3(89.53,90.31) v3(88.9,90.31) ; v3(88.27,90.31) v3(87.63,90.31) ; U9.5 86.19,89.52 v3(87,90.31) v3(87,89.68) U9.6
  Bottom w0.2: v3(87,89.68) v3(87.63,89.68) ; v3(88.27,89.68) v3(88.9,89.68) ; v3(89.53,89.68) v3(90.17,89.68) ; v3(90.17,90.31) v3(89.53,90.31) ; v3(88.9,90.31) v3(88.27,90.31) ; v3(87.63,90.31) v3(87,90.31) ; P6.2 102.25,91.74 100.81,90.29 87.93,90.29 86.63,91.59 D35.1
/M0_OB1: length 38.4
  Top w0.2: P6.4 104.6,98.74 P6.4 ; v3(85.09,101.75) v3(85.72,101.75) ; v3(86.36,101.75) v3(87,101.75) ; v3(85.09,101.11) v3(85.72,101.11) ; v3(86.36,101.11) v3(87,101.11) ; U9.27 87.79,100.95 v3(87.63,101.11) v3(87.63,101.75) 88.59,100.78 88.59,99.34 ; U9.32 83.79,101.09 v3(84.46,101.75) v3(84.46,101.11) 84.59,100.97 84.59,99.34
  Bottom w0.2: v3(84.46,101.75) v3(85.09,101.75) ; v3(85.72,101.75) v3(86.36,101.75) ; v3(87.63,101.75) v3(87,101.75) ; v3(84.46,101.11) v3(85.09,101.11) ; v3(85.72,101.11) v3(86.36,101.11) ; v3(87,101.11) v3(87.63,101.11) ; D37.1 85.65,98.74 P6.4
/M0_OB2: length 38.9
  Top w0.2: P6.3 105.56,95.24 P6.3 ; v3(87.63,96.67) v3(88.27,96.67) ; v3(88.9,96.67) v3(89.53,96.67) ; v3(87.63,97.3) v3(88.27,97.3) ; v3(88.9,97.3) v3(89.53,97.3) ; U9.24 90.19,97.33 v3(90.17,97.3) v3(90.17,96.67) 91,97.49 U9.23 ; U9.28 v3(87,97.3) v3(87,96.67) 86.19,97.47 U9.29